# Altium PCB MPPT.PcbDoc (part 1 of 2) (continued)
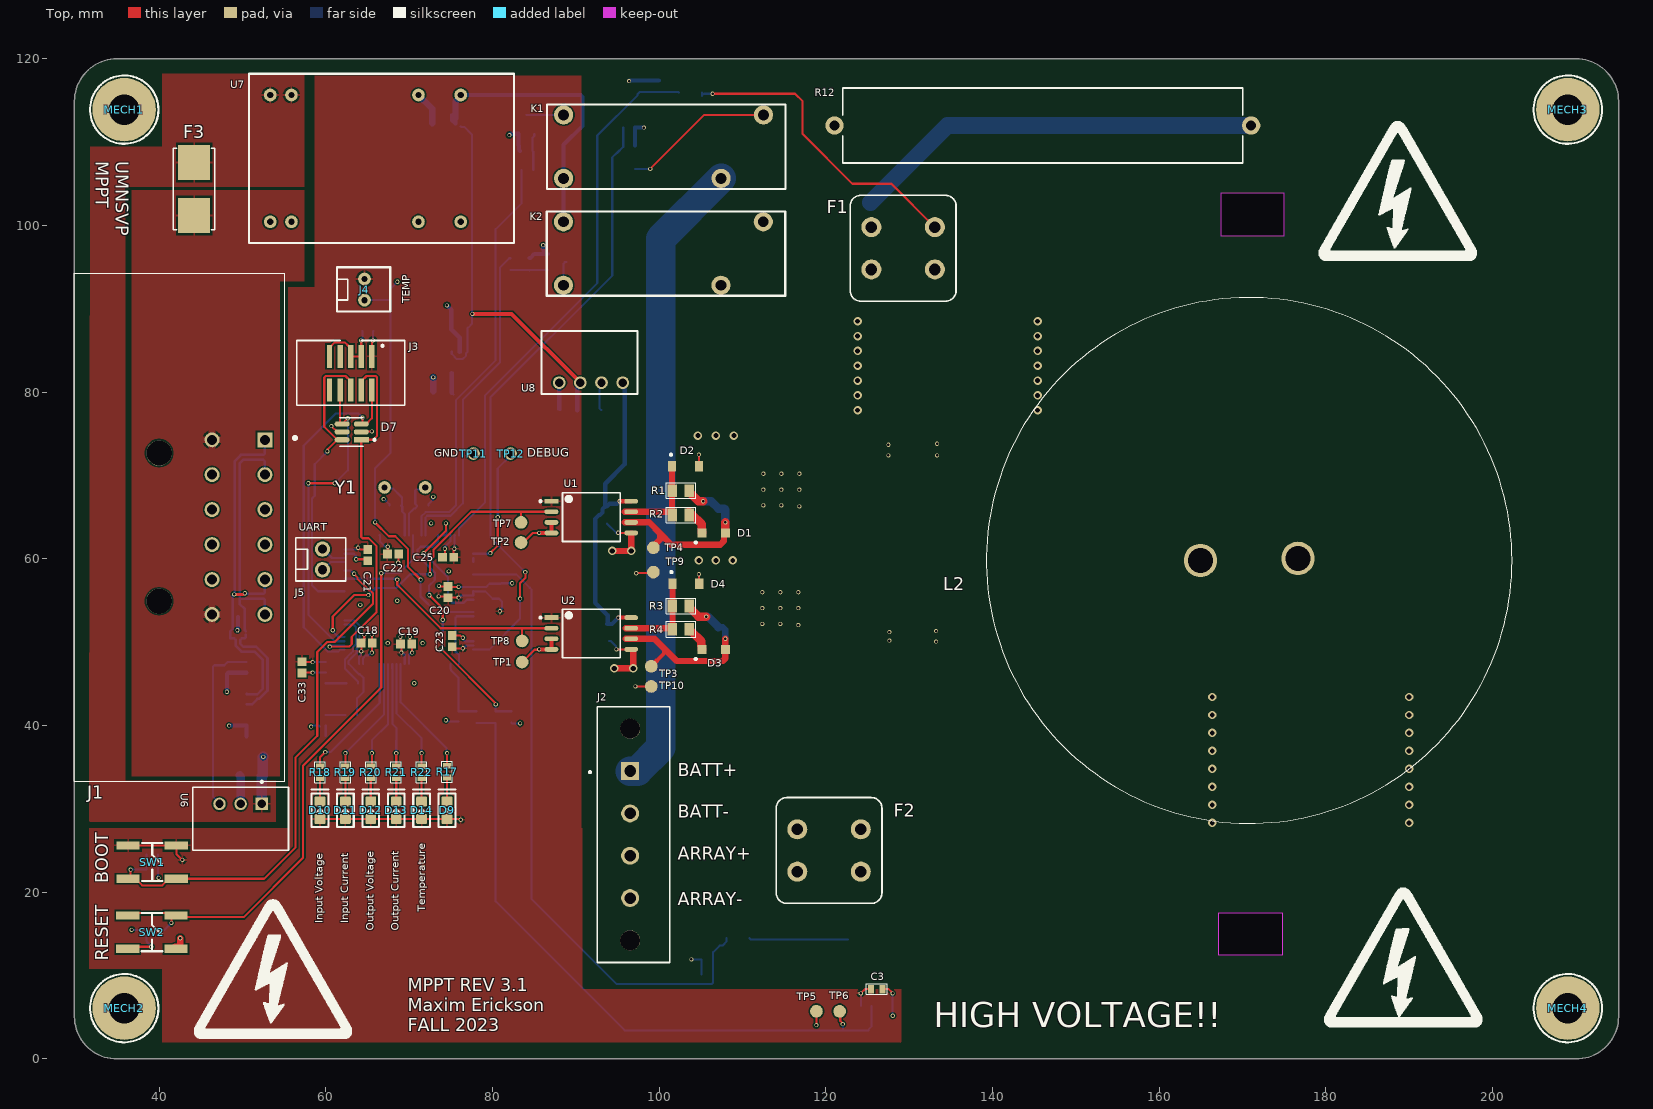
[diagram p0: Top view]
## Components (designator, comment, footprint, x,y, rotation, side; value= is the part's Value field where it differs from the comment)
C1 "CAP 0805 1uF 50V" 0805_Capacitor 93.726,65.278 r90 bottom value=1µF
C2 "CAP 0805 1uF 50V" 0805_Capacitor 93.98,51.181 r90 bottom value=1µF
C3 "C0603C473K4RECAUTO" 0603_CAPACITOR 126.111,8.382 r180 top value=47nF
C4 "KGM43JR72D105JV" 1812_Capacitor 129.032,87.376 r180 bottom value=1u
C5 "KGM43JR72D105JV" 1812_Capacitor 140.335,82.931 r0 bottom value=1u
C6 "KGM43JR72D105JV" 1812_Capacitor 129.032,82.931 r180 bottom value=1u
C7 "KGM43JR72D105JV" 1812_Capacitor 129.032,78.486 r180 bottom value=1u
C8 "KGM43JR72D105JV" 1812_Capacitor 140.335,78.359 r0 bottom value=1u
C9 "KGM43JR72D105JV" 1812_Capacitor 140.335,87.376 r0 bottom value=1u
C10 "HMK432BJ105MM-T" 1812_Capacitor 184.531,41.91 r0 bottom
C11 "HMK432BJ105MM-T" 1812_Capacitor 184.658,37.338 r0 bottom
C12 "HMK432BJ105MM-T" 1812_Capacitor 171.577,41.783 r180 bottom
C13 "HMK432BJ105MM-T" 1812_Capacitor 184.658,32.766 r0 bottom
C14 "HMK432BJ105MM-T" 1812_Capacitor 184.658,28.194 r0 bottom
C15 "HMK432BJ105MM-T" 1812_Capacitor 171.704,28.194 r180 bottom
C16 "HMK432BJ105MM-T" 1812_Capacitor 171.704,32.766 r180 bottom
C17 "HMK432BJ105MM-T" 1812_Capacitor 171.577,37.338 r180 bottom
C18 "Capacitor 0.1uF +/-10% 50 V 0603" CAPC1608X90X40ML10T20 64.897,49.911 r180 top value=100nF
C19 "Capacitor 0.1uF +/-10% 50 V 0603" CAPC1608X90X40ML10T20 69.636,49.784 r180 top value=100nF
C20 "Capacitor 0.1uF +/-10% 50 V 0603" CAPC1608X90X40ML10T20 74.676,56.007 r270 top value=100nF
C21 "Capacitor 0.1uF +/-10% 50 V 0603" CAPC1608X90X40ML10T20 65.024,60.452 r90 top value=100nF
C22 "Capacitor 0.1uF +/-10% 50 V 0603" CAPC1608X90X40ML10T20 68.072,60.579 r180 top value=100nF
C23 "Capacitor 0.1uF +/-10% 50 V 0603" CAPC1608X90X40ML10T20 75.184,50.125 r270 top value=100nF
C24 "CAP 0805 1uF 50V" 0805_Capacitor 81.026,56.007 r90 bottom value=1µF
C25 "Capacitor 0.1uF +/-10% 50 V 0603" CAPC1608X90X40ML10T20 74.676,60.198 r0 top value=100nF
C26 "Capacitor 0.1uF +/-10% 50 V 0603" CAPC1608X90X40ML10T20 39.178,24.511 r180 bottom value=100nF
C27 "Capacitor 0.1uF +/-10% 50 V 0603" CAPC1608X90X40ML10T20 82.296,41.021 r90 bottom value=100nF
C28 "Capacitor 0.1uF +/-10% 50 V 0603" CAPC1608X90X40ML10T20 39.178,15.494 r0 bottom value=100nF
C29 "Capacitor 0.1uF +/-10% 50 V 0603" CAPC1608X90X40ML10T20 75.946,41.148 r90 bottom value=100nF
C30 "Capacitor 18pF 0603 50V 10%" 0603_CAPACITOR 68.326,66.421 r0 bottom value=18pF
C31 "Capacitor 18pF 0603 50V 10%" 0603_CAPACITOR 71.628,66.421 r180 bottom value=18pF
C32 "Capacitor 0.1uF +/-10% 50 V 0603" CAPC1608X90X40ML10T20 65.024,87.376 r0 bottom value=100nF
C33 "Capacitor 0.1uF +/-10% 50 V 0603" CAPC1608X90X40ML10T20 57.15,46.99 r90 top value=100nF
C34 "Capacitor 0.1uF +/-10% 50 V 0603" CAPC1608X90X40ML10T20 48.133,46.863 r270 bottom value=100nF
C35A "Capacitor 13pF 0603 5% 50V" 0603_CAPACITOR 105.791,10.16 r0 bottom value=13pF (schematic designator C35)
C35B "Capacitor 13pF 0603 5% 50V" 0603_CAPACITOR 97.79,116.713 r270 bottom value=13pF (schematic designator C35)
C35C "Capacitor 13pF 0603 5% 50V" 0603_CAPACITOR 96.393,109.601 r180 bottom value=13pF (schematic designator C35)
C36 "Cap Cerem 10uF 10% 50V" 1210_Capacitor 51.054,34.036 r0 bottom value=10µF
C37 "Cap Cerem 10uF 10% 50V" 1210_Capacitor 74.168,112.268 r180 bottom value=10µF
C38 "CAP 0805 1uF 50V" 0805_Capacitor 89.154,77.851 r180 bottom value=1µF
C39 "Cap Cerem 10uF 10% 50V" 1210_Capacitor 94.488,77.851 r0 bottom value=10µF
C40 "CAP 0805 1uF 50V" 0805_Capacitor 73.914,80.137 r0 bottom value=1µF
C41 "CAP 0805 1uF 50V" 0805_Capacitor 76.073,87.757 r0 bottom value=1µF
D1 "PMEG4010ER,115" PMEG4010ER,115-Footprint-1 107.956,63.119 r180 top
D2 "TPSMF4L18A" TPSMF4L18A-Footprint-1 101.555,71.12 r0 top
D3 "PMEG4010ER,115" PMEG4010ER,115-Footprint-1 107.956,49.149 r180 top
D4 "TPSMF4L18A" TPSMF4L18A-Footprint-1 101.6,57.023 r0 top
D5 "PU6DBH" DIOM4336X265N 130.429,50.673 r180 bottom
D6 "PU6DBH" DIOM4336X265N 130.429,73.152 r180 bottom
D7 "ESDA6V1BC6" FP-SOT23-6L-IPC_A 63.111,75.25 r180 top
D8 "ESDCAN24-2BLY" SOT23-3 49.469,51.977 r90 bottom
D9 "LED_0805_GREEN" 0805_LED_Green 74.549,29.845 r270 top value=GREEN
D10 "D_LED_0805_BLUE" 0805_LED_Blue 59.309,29.845 r270 top value=BLUE
D11 "LED_0805_RED" 0805_LED_Red 62.357,29.845 r270 top value=RED
D12 "LED_0805_GREEN" 0805_LED_Green 65.405,29.845 r270 top value=GREEN
D13 "D_LED_0805_YELLOW" 0805_LED_Yellow 68.453,29.845 r270 top value=Amber
D14 "D_LED_0805_YELLOW" 0805_LED_Yellow 71.501,29.845 r270 top value=Amber
F1 "F_3101.0040" F_FPG4 129.286,97.282 r270 top value=6A
F2 "F_3101.0040" F_FPG4 120.396,25.019 r90 top value=6A
F3 "F_0142_1A" 0154_FUSE_HOLDER 44.196,104.394 r270 top
J1 "DTM13-12PA" TE_DTM13-12PA 40,63.82 r270 top locked
J2 "1777099" FP-1777099-MFG 96.935,26.924 r90 top
J3 "3221-10-0300-00" 3221-10-0300-00-Footprint-1 65.532,84.304 r180 top
J4 "J_640454-2" 640454-2 64.643,92.329 r270 top
J5 "J_640456-2" J_640456-2 59.605,59.944 r90 top
K1 "J117F1AS5VDC" J117F1AS5VDC-Footprint 88.542,105.664 r180 top
K2 "J117F1AS5VDC" J117F1AS5VDC-Footprint 88.519,92.837 r180 top
L1 "DR125-100-R" INDM125125X600N 126.492,61.976 r270 bottom value=10uH
L2 "ATCA-08-471M-H" ATCA-08-471M-H-Footprint-1 170.815,59.817 r180 top value=470uH
MECH1 "MECH_STANDOFF_6-32_0.625in" STANDOFF_6-32_0.625in 35.814,113.919 r0 top
MECH2 "MECH_STANDOFF_6-32_0.625in" STANDOFF_6-32_0.625in 35.814,6.096 r0 top
MECH3 "MECH_STANDOFF_6-32_0.625in" STANDOFF_6-32_0.625in 209.042,113.919 r0 top
MECH4 "MECH_STANDOFF_6-32_0.625in" STANDOFF_6-32_0.625in 209.042,6.096 r0 top
Q1 "IXFY36N20X3" DPAK 114.554,68.326 r180 bottom
Q2 "IXFY36N20X3" DPAK 114.554,54.102 r180 bottom
Q3 "NVTR4503NT1G" SOT-23_N 84.074,112.141 r90 bottom
Q4 "NVTR4503NT1G" SOT-23_N 87.757,95.631 r0 bottom
R1 "RMCF0805JT39R0" 0805_Resistor 102.616,68.199 r0 top value=39
R2 "CRCW08054R02FKEA" 0805_Resistor 102.616,65.278 r0 top value=4.02
R3 "RMCF0805JT39R0" 0805_Resistor 102.616,54.356 r0 top value=39
R4 "CRCW08054R02FKEA" 0805_Resistor 102.616,51.562 r0 top value=4.02
R5 "Res 0603 1K ohm 1%" 0603_RESISTOR 80.391,41.021 r90 bottom value=1k
R6 "Res 0603 100K ohm 1%" 0603_RESISTOR 39.178,22.733 r180 bottom value=100k
R7 "Res 0603 68.1 ohm 1%" 0603_RESISTOR 78.105,41.021 r90 bottom value=68.1
R8 "Res 0603 22.1 ohm 1%" 0603_RESISTOR 63.184,45.085 r180 bottom value=22
R9 "Res 0603 22.1 ohm 1%" 0603_RESISTOR 63.057,41.275 r180 bottom value=22
R10A "Resistor 200K 1206 1% 1/4W" 1206_RESISTOR 109.474,14.478 r0 bottom value=200k (schematic designator R10)
R10B "Resistor 200K 1206 1% 1/4W" 1206_RESISTOR 103.759,115.951 r0 bottom value=200k (schematic designator R10)
R10C "Resistor 200K 1206 1% 1/4W" 1206_RESISTOR 95.758,106.807 r0 bottom value=200k (schematic designator R10)
R11A "Resistor 4.22k 0603 0.1W 1%" 0603_RESISTOR 105.791,11.938 r0 bottom value=4.22k (schematic designator R11)
R11B "Resistor 4.22k 0603 0.1W 1%" 0603_RESISTOR 99.949,116.713 r270 bottom value=4.22k (schematic designator R11)
R11C "Resistor 4.22k 0603 0.1W 1%" 0603_RESISTOR 96.393,111.76 r180 bottom value=4.22k (schematic designator R11)
R12 "SQPW10220RJ" R_Res_Axial_SQP_THRU 146.05,112.014 r180 top value=220
R13 "R 0603 220 ohm 1%" 0603_RESISTOR 84.201,106.68 r0 bottom value=220
R14 "Resistor 100k +/-1% 0603 100 mW" RESC1608X55X25ML10T15 84.074,108.966 r0 bottom value=100k
R15 "R 0603 220 ohm 1%" 0603_RESISTOR 82.169,95.377 r270 bottom value=220
R16 "Resistor 100k +/-1% 0603 100 mW" RESC1608X55X25ML10T15 84.455,95.377 r270 bottom value=100k
R17 "Res 0603 1K ohm 1%" 0603_RESISTOR 74.549,34.482 r270 top value=1k
R18 "Res 0603 1K ohm 1%" 0603_RESISTOR 59.309,34.417 r270 top value=1k
R19 "Res 0603 1K ohm 1%" 0603_RESISTOR 62.357,34.417 r270 top value=1k
R20 "Res 0603 1K ohm 1%" 0603_RESISTOR 65.405,34.417 r270 top value=1k
R21 "Res 0603 1K ohm 1%" 0603_RESISTOR 68.453,34.417 r270 top value=1k
R22 "Res 0603 1K ohm 1%" 0603_RESISTOR 71.501,34.417 r270 top value=1k
R23 "Res 0603 10K ohm 1%" 0603_RESISTOR 67.818,91.821 r270 bottom value=10k
SW1 "SW_TACT_SWITCH_6x6" TACT_SWITCH_6x6_J-LEAD 39.178,23.622 r180 top
SW2 "SW_TACT_SWITCH_6x6" TACT_SWITCH_6x6_J-LEAD 39.137,15.208 r180 top
TP1 "Test Pad" "Test Pad-Footprint-1" 83.566,47.625 r0 top
TP2 "Test Pad" "Test Pad-Footprint-1" 83.439,61.976 r180 top
TP3 "Test Pad" "Test Pad-Footprint-1" 99.06,47.117 r180 top
TP4 "Test Pad" "Test Pad-Footprint-1" 99.314,61.341 r90 top
TP5 "Test Pad" "Test Pad-Footprint-1" 118.878,5.722 r0 top
TP6 "Test Pad" "Test Pad-Footprint-1" 121.666,5.715 r90 top
TP7 "Test Pad" "Test Pad-Footprint-1" 83.439,64.389 r180 top
TP8 "Test Pad" "Test Pad-Footprint-1" 83.566,50.165 r90 top
TP9 "Test Pad" "Test Pad-Footprint-1" 99.314,58.42 r90 top
TP10 "Test Pad" "Test Pad-Footprint-1" 99.06,44.704 r180 top
TP11 "TEST POINT PC MINI .040\"D BLACK" "TEST POINT 0.040\" BLACK" 77.724,72.644 r0 top
TP12 "TEST POINT PC MINI .040\"D WHITE" "TEST POINT 0.040\" WHITE" 82.169,72.644 r0 top
U1 "ADUM4121ARIZ" FP-RI-8-1-IPC_B 91.866,65.024 r0 top
U2 "ADUM4121ARIZ" FP-RI-8-1-IPC_B 91.866,51.054 r0 top
U3 "TMCS1101A2UQDRQ1" SOIC127P610X173-8N 126.111,9.1 r270 bottom
U4 "STM32G473VET6" TSQFP50P1600X1600X160-100N 69.977,55.118 r270 bottom locked
U5 "ADM3050EBRWZ" SOIC127P1030X265-16N 55.245,43.18 r180 bottom
U6 "R-785.0-0.5" REPO-R-78XX-3_V 49.784,30.607 r180 top
U7 "DH06S2405A" DH06S2405A-Footprint-1 53.34,115.677 r180 top
U8 "RI-0515S/P" ROE-2405S-Footprint-1 88.011,81.153 r0 top
U9 "LP5907MFX-3.3/NOPB" FP-DBV0005A-MFG 76.073,83.566 r270 bottom
Y1 "ECS-80-18-4X-CKM" ECS-80-18-4X-CKM-Footprint-1 71.936,68.58 r180 top

## Footprints (in the part's own frame and the unit in brackets; to place one, negate y for a bottom-side part, rotate by r counter-clockwise, add the part's x,y. Pads: shape width x height; smd on the part's side, far side on the other; paste and mask are expansions set on the pad)
0154_FUSE_HOLDER [mm] "FUSE BLOK CARTRIDGE 125V 10A SMD"
  rect 4.24x3.81 smd: 1(-3.185,0) 2(3.185,0)
  silkscreen extent -4.9,-2.5 4.9,2.5, body extent -4.91,-2.51 4.92,2.51, height 3.81
0603_CAPACITOR [mm] "0603 Capacitor"
  rect 0.7x1 smd: 1(-0.7,0) 2(0.7,0)
  silkscreen extent -1.27,-0.64 1.27,0.64, body extent -0.8,-0.4 0.8,0.4, height 0.3
0603_RESISTOR [mm] "0603 RESISTOR"
  rect 0.7x1 smd: 1(-0.7,0) 2(0.7,0)
  silkscreen extent -1.27,-0.64 1.27,0.64, body extent -0.8,-0.4 0.8,0.4, height 0.3
0805_Capacitor [mil] "0805 Capacitor"
  rect 45x60 smd: 1(-40,0) 2(40,0)
  silkscreen extent -70,-37 70,37, body extent -39,-25 39,25, height 30
0805_LED_Blue [mm] "Chip Capacitor; Body 2.0 x 1.2 mm (LxW typ)"
  rrect25% 1.2x1.3 smd: 1(1.05,0) 2(-1.05,0)
  silkscreen extent -2.5,-1 2,1, body extent -1.02,-0.64 0.99,0.61, height 0.79
0805_LED_Green [mm] "Chip Capacitor; Body 2.0 x 1.2 mm (LxW typ)"
  rrect25% 1.2x1.3 smd: 1(1.05,0) 2(-1.05,0)
  silkscreen extent -2.5,-1 2,1, body extent -1.02,-0.64 0.99,0.61, height 0.79
0805_LED_Red [mm] "Chip Capacitor; Body 2.0 x 1.2 mm (LxW typ)"
  rrect25% 1.2x1.3 smd: 1(1.05,0) 2(-1.05,0)
  silkscreen extent -2.5,-1 2,1, body extent -1.02,-0.64 0.99,0.61, height 0.79
0805_LED_Yellow [mm] "Chip Capacitor; Body 2.0 x 1.2 mm (LxW typ)"
  rrect25% 1.2x1.3 smd: 1(1.05,0) 2(-1.05,0)
  silkscreen extent -2.5,-1 2,1, body extent -1.02,-0.64 0.99,0.61, height 0.79
0805_Resistor [mil] "0805 Resistor"
  rect 45x60 smd: 1(-40,0) 2(40,0)
  silkscreen extent -70,-37 70,37, body extent -39,-25 39,25, height 31
1206_RESISTOR [mm] "1206 Resistor"
  rect 1.25x2 smd: 1(-1.375,0) 2(1.375,0)
  silkscreen extent -2.2,-1.2 2.2,1.2, body extent -1.6,-0.8 1.6,0.8, height 1
1210_Capacitor [mil] "1210 Capacitor"
  rect 65x110 smd: 1(-55,0) 2(55,0)
  silkscreen extent -95,-62 95,62, body extent -84,-54 82,52, height 36
1812_Capacitor [mm] "1812 Capacitor"
  rrect25% 1.5x3.8 smd: 1(-2.3,0) 2(2.3,0)
  silkscreen extent -3.3,-2.1 3.3,2.1, body extent -2.4,-1.75 2.4,1.75, height 2.71
3221-10-0300-00-Footprint-1 [mm]
  rect 0.65x2.76 smd: 1(0,0) 2(0,4.04) 3(1.27,0) 4(1.27,4.04) 5(2.54,0) 6(2.54,4.04) 7(3.81,0) 8(3.81,4.04) 9(5.08,0) 10(5.08,4.04)
  silkscreen extent -3.94,-1.91 9.02,5.84, body extent -3.78,-0.73 8.86,4.77, height 5.63
640454-2 [mil]
  round 60 hole 30: 1(-50,0) 2(50,0)
  silkscreen extent -105,-130 104,122, body extent -100,-128 100,122, height 421
ATCA-08-471M-H-Footprint-1 [mm]
  round 4 hole 3: 1(-5.85,-0.254) 2(5.85,0)
  silkscreen extent -31.54,-31.54 31.54,31.54, body extent -31.54,-31.54 31.54,31.54, height 25.91
CAPC1608X90X40ML10T20 [mm] "Chip Capacitor, 2-Leads, Body 1.70x0.90mm, IPC Low Density"
  rect 1.05x1.05 smd: 1(-0.675,0) 2(0.675,0)
  body extent -0.85,-0.45 0.85,0.45, height 0.9
DH06S2405A-Footprint-1 [mil]
  round 60 hole 30: 2(0,599.21) 3(-100,599.21) 9(-700,599.21) 11(-900,599.21) 14(-900,0) 16(-700,0) 22(-100,0) 23(0,0)
  silkscreen extent -1152,-100 100,699, body extent -1145,-95 95,695, height 402
DIOM4336X265N [mm]
  rect 2.28x2.12 smd: A(2.165,0) C(-2.165,0)
  silkscreen extent -4.1,-1.81 2.16,1.81, body extent -2.67,-1.81 2.67,1.81, height 2.65
DPAK [mil] "DPAK, 3-pin TO252"
  rrect50% 120x55 smd: 1(260,-90) 3(260,90)
  rrect25% 250x235 smd: 2(0,0)
  silkscreen extent 90,-120 200,120, body extent -83,-128 291,128, height 91
ECS-80-18-4X-CKM-Footprint-1 [mil]
  round 60 hole 30: 1(0,0) 2(192.13,0)
  body extent -128,-93 318,90, height 138
F_FPG4 [mm] "Schurter FPG4 Fuse Holder"
  round 2.4 hole 1.4: 1(-2.54,3.81) 1(2.54,3.81) 2(-2.54,-3.81) 2(2.54,-3.81)
  silkscreen extent -6.35,-6.35 6.35,6.35, body extent -6.25,-6.25 6.25,6.25, height 32.61
FP-1777099-MFG [mm]
  rect 2.15x2.15 hole 1.4 paste-1000 mask+0: 1(7.62,0.415)
  round 2.15 hole 1.4 paste-1000 mask+0: 2(2.54,0.415) 3(-2.54,0.415) 4(-7.62,0.415)
  round 2.4 hole 2.4 unplated paste-1000 mask+0: ""(-12.7,0.415) ""(12.7,0.415)
  silkscreen extent -15.34,-4.36 15.34,5.34, body extent -15.44,-4.46 15.44,4.46, height 0.25
FP-DBV0005A-MFG [mm]
  rrect17% 1.1x0.6 smd paste+0 mask+0: 1(-1.3,0.95) 2(-1.3,0) 3(-1.3,-0.95) 4(1.3,-0.95) 5(1.3,0.95)
  silkscreen extent -2.55,-1.53 0.87,1.52, body extent -1.4,-1.45 1.4,1.45, height 1.45
FP-RI-8-1-IPC_B [mm]
  rect 1.655x0.582 smd paste+0 mask+0: 1(-4.781,1.905)
  rrect100% 1.655x0.582 smd paste+0 mask+0: 2(-4.781,0.635) 3(-4.781,-0.635) 4(-4.781,-1.905) 5(4.781,-1.905) 6(4.781,-0.635) 7(4.781,0.635) 8(4.781,1.905)
  silkscreen extent -6.23,-2.93 3.45,2.93, body extent -5.16,-2.93 5.16,2.93, height 2.45
FP-SOT23-6L-IPC_A [mm]
  rect 1.805x0.616 smd paste+0 mask+0: 1(-1.151,0.95)
  rrect100% 1.805x0.616 smd paste+0 mask+0: 2(-1.151,0) 3(-1.151,-0.95) 4(1.151,-0.95) 5(1.151,0) 6(1.151,0.95)
  silkscreen extent -2.88,-1.71 1.4,1.71, body extent -2.55,-1.96 2.55,1.96, height 0.25
INDM125125X600N [mil]
  rect 124x217 smd: 1(-190,0) 2(190,0)
  silkscreen extent -246,-246 246,246, body extent -251,-251 241,241, height 236
J117F1AS5VDC-Footprint [mm]
  round 2.3 hole 1.3: 1(0,-7.62) 2(0,0) 3(-18.9,0) 4(-23.98,-7.62)
  silkscreen extent -26.62,-8.87 2,1.25, body extent -26.61,-8.84 1.99,1.26, height 12.65
J_640456-2 [mm] "TE Connectivity 640456-2"
  round 1.85 hole 1.1: 1(-1.24,0) 2(1.24,0)
  silkscreen extent -2.6,-2.8 2.6,3.2, body extent -2.54,-2.7 2.54,3.14, height 10.04
PMEG4010ER,115-Footprint-1 [mm]
  rect 1.1x1.1 smd: 1(2.8,0) 2(0,0)
  silkscreen extent 3.43,1.02 3.68,1.27, body extent -0.35,-1.09 3.15,0.91, height 1.05
R_Res_Axial_SQP_THRU [mm]
  round 2.2 hole 1.2: 1(-25,0) 2(25,0)
  silkscreen extent -24,-4.5 24,4.5, body extent -24.9,-4.5 24.9,4.5, height 10.55
REPO-R-78XX-3_V [mm] "Module, 3-Leads, Body 11.5x7.55mm, Pitch 2.54mm"
  rect 1.5x1.5 hole 1: 1(-2.54,0)
  round 1.5 hole 1: 2(0,0) 3(2.54,0)
  silkscreen extent -5.75,-2.77 5.75,5.55, body extent -5.75,-2 5.75,5.55, height 10.2
RESC1608X55X25ML10T15 [mm] "Chip Resistor, 2-Leads, Body 1.70x0.90mm, IPC Low Density"
  rect 0.8x1 smd: 1(-0.75,0) 2(0.75,0)
  body extent -0.85,-0.45 0.85,0.45, height 0.55
ROE-2405S-Footprint-1 [mil]
  round 60 hole 39.37: 1(0,0) 2(100,0) 3(200,0) 4(300,0)
  silkscreen extent -83,-54 370,245, body extent -75,-50 365,239, height 394
SOIC127P610X173-8N [mm] "SOIC, 8-Leads, Body 4.90x3.90mm, Pitch 1.27mm, IPC Medium Density"
  oval 1.5x0.6 smd: 1(-2.75,1.905) 2(-2.75,0.635) 3(-2.75,-0.635) 4(-2.75,-1.905) 5(2.75,-1.905) 6(2.75,-0.635) 7(2.75,0.635) 8(2.75,1.905)
  silkscreen extent -2.87,-2.5 1.6,2.88, body extent -3.03,-2.5 3.03,2.5, height 1.73
SOIC127P1030X265-16N [mm] "SOIC, 16-Leads, Body 10.30x7.50mm, Pitch 1.27mm, IPC Medium Density"
  oval 1.9x0.6 smd: 1(-4.75,4.445) 2(-4.75,3.175) 3(-4.75,1.905) 4(-4.75,0.635) 5(-4.75,-0.635) 6(-4.75,-1.905) 7(-4.75,-3.175) 8(-4.75,-4.445) 9(4.75,-4.445) 10(4.75,-3.175) 11(4.75,-1.905) 12(4.75,-0.635) 13(4.75,0.635) 14(4.75,1.905) 15(4.75,3.175) 16(4.75,4.445)
  silkscreen extent -4.88,-5.25 3.4,5.42, body extent -5.16,-5.25 5.16,5.25, height 2.65
SOT23-3 [mm] "SOT23, 3-Leads, Body 3.0x2.7mm (max), Pitch 0.95mm, IPC Medium Density"
  rrect50% 1.4x0.6 smd: 1(-1.05,0.95) 2(-1.05,-0.95) 3(1.05,0)
  silkscreen extent -1.22,-1.5 0.76,1.73, body extent -1.21,-1.1 0.99,1.1, height 1.1
SOT-23_N [mm] "SOT23, 3-Leads, Body 2.9x1.3mm, Pitch 0.95mm, Lead Span 2.3mm, IPC Medium Density"
  rect 1.15x0.6 smd: 1(-1.125,0.95) 2(-1.125,-0.95) 3(1.125,0)
  silkscreen extent -1.25,-1.5 0.7,1.93, body extent -0.7,-1.5 0.7,1.5, height 1.11
STANDOFF_6-32_0.625in [mil] "Standoff for 6-32 screw, 0.625 inches tall"
  round 300 hole 144 paste+0: 1(0,0)
  silkscreen extent -161,-161 161,161, body extent -125,-144 125,144, height 340
TACT_SWITCH_6x6_J-LEAD [mm] "SWITCH TACTILE SPST-NO"
  rect 2.8x1 smd: 1(-2.9,2) 2(-2.9,-2) 3(2.9,-2) 4(2.9,2)
  silkscreen extent -1.25,-2.29 1.25,2.29, body extent -3.4,-3.1 3.4,3.1, height 3.48
TE_DTM13-12PA [mm]
  rect 1.8x1.8 hole 1.2: 1(-10.48,12.7)
  round 1.8 hole 1.2: 2(-6.29,12.7) 3(-2.1,12.7) 4(2.1,12.7) 5(6.29,12.7) 6(10.48,12.7) 7(10.48,6.35) 8(6.29,6.35) 9(2.1,6.35) 10(-2.1,6.35) 11(-6.29,6.35) 12(-10.48,6.35)
  round 3.04 hole 3.04 unplated: ""(-8.89,0) ""(8.89,0)
  silkscreen extent -30.48,-10.16 30.48,16.5, body extent -30.48,-23.1 30.48,15.11, height 34.29
"Test Pad-Footprint-1" [mil]
  round 60 smd: 1(0,0)
"TEST POINT 0.040\" BLACK" [mil]
  round 60 hole 40: 0(0,0)
  body extent -62,-62 63,63, height 320
"TEST POINT 0.040\" WHITE" [mil]
  round 60 hole 40: 0(0,0)
  body extent -62,-62 63,63, height 320
TPSMF4L18A-Footprint-1 [mm]
  rect 0.98x1.25 smd: 1(3.22,0) 2(0,0)
  silkscreen extent -0.25,1.27 0,1.52, body extent 0,-0.89 3.3,0.89, height 1.08
TSQFP50P1600X1600X160-100N [mm] "TSQFP, 100-Leads, Body 14.00x14.00mm, Pitch 0.50mm, IPC Medium Density"
  oval 1.45x0.3 smd: 1(-7.725,6) 2(-7.725,5.5) 3(-7.725,5) 4(-7.725,4.5) 5(-7.725,4) 6(-7.725,3.5) 7(-7.725,3) 8(-7.725,2.5) 9(-7.725,2) 10(-7.725,1.5) 11(-7.725,1) 12(-7.725,0.5) 13(-7.725,0) 14(-7.725,-0.5) 15(-7.725,-1) 16(-7.725,-1.5) 17(-7.725,-2) 18(-7.725,-2.5) 19(-7.725,-3) 20(-7.725,-3.5) 21(-7.725,-4) 22(-7.725,-4.5) 23(-7.725,-5) 24(-7.725,-5.5) 25(-7.725,-6) 51(7.725,-6) 52(7.725,-5.5) 53(7.725,-5) 54(7.725,-4.5) 55(7.725,-4) 56(7.725,-3.5) 57(7.725,-3) 58(7.725,-2.5) 59(7.725,-2) 60(7.725,-1.5) 61(7.725,-1) 62(7.725,-0.5) 63(7.725,0) 64(7.725,0.5) 65(7.725,1) 66(7.725,1.5) 67(7.725,2) 68(7.725,2.5) 69(7.725,3) 70(7.725,3.5) 71(7.725,4) 72(7.725,4.5) 73(7.725,5) 74(7.725,5.5) 75(7.725,6)
  oval 0.3x1.45 smd: 26(-6,-7.725) 27(-5.5,-7.725) 28(-5,-7.725) 29(-4.5,-7.725) 30(-4,-7.725) 31(-3.5,-7.725) 32(-3,-7.725) 33(-2.5,-7.725) 34(-2,-7.725) 35(-1.5,-7.725) 36(-1,-7.725) 37(-0.5,-7.725) 38(0,-7.725) 39(0.5,-7.725) 40(1,-7.725) 41(1.5,-7.725) 42(2,-7.725) 43(2.5,-7.725) 44(3,-7.725) 45(3.5,-7.725) 46(4,-7.725) 47(4.5,-7.725) 48(5,-7.725) 49(5.5,-7.725) 50(6,-7.725) 76(6,7.725) 77(5.5,7.725) 78(5,7.725) 79(4.5,7.725) 80(4,7.725) 81(3.5,7.725) 82(3,7.725) 83(2.5,7.725) 84(2,7.725) 85(1.5,7.725) 86(1,7.725) 87(0.5,7.725) 88(0,7.725) 89(-0.5,7.725) 90(-1,7.725) 91(-1.5,7.725) 92(-2,7.725) 93(-2.5,7.725) 94(-3,7.725) 95(-3.5,7.725) 96(-4,7.725) 97(-4.5,7.725) 98(-5,7.725) 99(-5.5,7.725) 100(-6,7.725)
  silkscreen extent -7.85,-6.6 6.6,6.82, body extent -8,-8 8,8, height 1.6

## Part data
C1 C2 C24 C38 C40 C41: library part CMP-001-00098-1, Capacitor Type=Ceramic, Case/Package=0805, Tolerance=10%, Voltage Rating=50V, Mounting Technology=SMT
C3: library part CMP-001-00133-1, "Ceramic Capacitor, Multilayer, Ceramic, 16V, 10% +Tol, 10% -Tol, X7R, 15% TC, 0.047uF, Surface Mount, 0603", Capacitor Type=Ceramic, Case/Package=0603, Tolerance=10%, Voltage Rating=16V, Mounting Technology=SMD
C4 C5 C6 C7 C8 C9: library part CMP-001-00138-1, "Cap Cer 1UF 200V X7R 1812", Voltage Rating=200V
C10 C11 C12 C13 C14 C15 C16 C17: library part CMP-001-00139-1, "Medium-High Voltage Multilayer Ceramic Capacitors, 100V, 1 uF, ± 20 %, 1812, X5R/B, RoHS", RoHS Compliant=Yes
C18 C19 C20 C21 C22 C23 C25 C26 C27 C28 C29 C32 C33 C34: library part CMP-001-00017-10, "Chip Capacitor, 0.1uF, +/- 10%, 50 V, 0603 (1608 Metric)", Capacitor Type=Ceramic, Case/Package=0603, Max Operating Temperature=125°C, Min Operating Temperature=-55°C, Tolerance=10%, Voltage Rating=50V, Mounting Technology=SMT, Pins=2
C30 C31: library part CMP-001-00108-2, "Capacitor 18pF ceramic 0603 10% 50V", Capacitor Type=Ceramic, Case/Package=0603, Tolerance=10%, Voltage Rating=50V, Mounting Technology=SM
C35A C35B C35C: library part CMP-001-00121-1, "Ceramic Capacitor, Multilayer, Ceramic, 50V, 5% +Tol, 5% -Tol, C0G, 30ppm/Cel TC, 0.000013uF, Surface Mount, 0603", Capacitor Type=Ceramic, Case/Package=0603, Max Operating Temperature=125°C, Min Operating Temperature=-55°C, Tolerance=5%, Voltage Rating=50V, Mounting Technology=SMD
C36 C37 C39: library part CMP-001-00101-3, Capacitor Type=Ceramic, Case/Package=1210, Tolerance=10%, Voltage Rating=50V, Mounting Technology=SM
D1 D3: library part CMP-004-00045-1, "Rectifier Diode, Schottky, 1 Phase, 1 Element, 1A, 40V V(RRM), Silicon", Case/Package=SOD-123W, Forward Current=1A, Forward Voltage=490mV, Max Operating Temperature=150°C, Max Surge Current=40A, Peak Inverse Voltage=40V, Mounting Technology=SMD, Pins=2, RoHS Compliant=Yes
D2 D4: library part CMP-004-00053-2, "TVS DIODE 18V 29.2V SOD123FL", Clamping Voltage=29.2V, Max Operating Temperature=150°C, Min Breakdown Voltage=20V, Min Operating Temperature=-55°C, Peak Pulse Current=13.7A, Peak Pulse Power=400W, Power Line Protection=No, Resistor Type=Zener, Reverse Standoff Voltage=18V, Mounting Technology="Surface Mount", Number of Unidirectional Channels=1, Packaging="Cut Tape", RoHS Compliant=Yes
D5 D6: library part CMP-201-000000-2, "25ns, 6A, 200V, Ultra Fast Recovery Rectifier", Package="SMD-2 Taiwan Semiconductor", Component Type=Standard, Design Item ID=PU6DBH, Digi-Key_Part_Number=1801-PU6DBHTR-ND, MF="Taiwan Semiconductor", MP=PU6DBH, Pin Count=2
D7: library part CMP-004-00048-1, "Trans Voltage Suppressor Diode, 80W, 5V V(RWM), Bidirectional, 4 Element, Silicon", Case/Package=SOT23-6L, Max Operating Temperature=150°C, Max Surge Current=8A, Peak Inverse Voltage=8V, Mounting Technology=SMD, Pins=6, RoHS Compliant=Yes
D8: library part CMP-004-00032-2, "ESD Suppressor TVS 24V Automotive 3-Pin SOT-23 T/R", Breakdown Voltage=27V, Capacitance=30pF, Case/Package=SOT-23, Clamping Voltage=43V, Leakage Current=100nA, Max Operating Temperature=150°C, Max Power Dissipation=230W, Min Breakdown Voltage=26.2V, Min Operating Temperature=-40°C, Package Quantity=1, Peak Pulse Current=5.5A, Power Line Protection=No, Resistor Type=Zener, Reverse Standoff Voltage=24V, Depth=1.3mm, Diode Type=ZENER, Direction=Bidirectional, Element Configuration=Dual, ESD Protection=Yes, Height=1.4mm, Lead Free="Lead Free", Length=2.9mm, Max Reverse Leakage Current=100nA, Mount="Surface Mount", Number of Bidirectional Channels=2, Number of Channels=2, Number of Pins=3, Packaging="Tape and Reel", Peak Pulse Power=230W, Polarity=Bidirectional, Radiation Hardening=No, REACH SVHC="No SVHC", RoHS Compliant=Yes, Series="Automotive, AEC-Q101, ESDCAY, TRANSIL™", Termination=SMD/SMT, Width=1.75mm, Working Voltage=24V
D9 D12: library part CMP-151-000025-2, "LED CHIPLED 570NM GREEN 0805 SMD", Current=20mA, Forward Voltage=2.2V, Manufacturer="Osram Opto Semiconductors Inc", Manufacturer PN="LG R971-KN-1-0-20-R18", Package=0805, Design Item ID=D_LED_0805_GREEN, Source=diode.SchLib, Supplier PN=475-1410-1-ND, SVP Creator="Nate Bolyard"
D10: library part CMP-151-000020-1, "LED 2X1.2MM 470NM BL WTR CLR SMD", Current=20mA, Forward Voltage=3.3, Manufacturer=Kingbright, Manufacturer PN=APT2012QBC/D, Package=0805, Design Item ID=D_LED_0805_BLUE, Source=diode.SchLib, Supplier PN=754-1437-1-ND, SVP Creator="Jonathan Nutzmann"
D11: library part CMP-151-000016-5, "LED CHIPLED 645NM RED DIFF 0805", Current=20mA, Forward Voltage=1.8V, Manufacturer="OSRAM Opto Semiconductors Inc", Manufacturer PN="LH R974-LP-1", Package=0805, Design Item ID=D_LED_0805_RED, Source=diode.SchLib, SVP Creator="Jonathan Nutzmann"
D13 D14: library part CMP-151-000028-1, "LED 595NM AMBER DIFF SMD 0805", Current=20mA, Forward Voltage=1.9, Manufacturer="Avago Technologies US Inc.", Manufacturer PN=HSMA-C170, Package=0805, Design Item ID=D_LED_0805_YELLOW, Source=diode.SchLib, Supplier PN=516-1431-1-ND, SVP Creator="Jonathan Nutzmann"
F1 F2: library part CMP-047-000004-2, "Fuse Holder 16A 500V 1 Circuit Cartridge PCB", Manufacturer=Schurter, Manufacturer Part Number=3101.0040, Max Current=16A, Max Operating Temperature=85°C, Min Operating Temperature=-40°C, Power Dissipation=2.5W, Voltage Rating (AC)=400V, Voltage Rating (DC)=250V, Approvals=UL,CSA,VDE,IEC,SEMKO, Body Material=Thermoplastic, Design Item ID=F_3101.0040, Source=misc.SchLib
F3: library part CMP-105-000000-1, Current=1A, Design Item ID=F_0142_1A, Source=Common.SchLib, SVP Creator="Spencer Berglund"
J1: library part CMP-183-000000-3, "12 way DTM13 A key Receptacle with PCB mount and 90 degree molded pins. Sealable, with centerline pitch .165 inch/4 millimeters. Gray.", Case/Package=12-DIP, Max Current Rating=11A, Voltage Rating=250V, Connector Type="COMBINATION LINE CONNECTOR", Gender=Male, Mounting Technology=TH, Pins=12, RoHS Compliant=Yes
J2: library part CMP-002-00150-1, "Strip Terminal Block, 12A, 1 Row(s), 1 Deck(s)", Case/Package=4-SIP, Current Rating=12A, Voltage Rating=320V, Connector Type="Through Hole", Gender=Male, Mounting Technology=Board, Pins=4, RoHS Compliant=Yes
J3: library part CMP-002-00077-1, "JTAG STLINK CONN HEADER SMD 10POS 1.27MM"
J4: library part CMP-009-000000-4, "2 Positions Header, Unshrouded Connector 0.100\" (2.54mm) Through Hole Tin", Max Current Rating=2A, Gender=Male, Mounting Technology=TH, Pins=2
J5: library part CMP-002-00087-1, "Connector Header Through Hole 2 position 0.100\" (2.54mm)", Contact Resistance=6mR, Current Rating=5A, Manufacturer="TE Connectivity", Manufacturer Part Number=640456-2, Max Operating Temperature=221°C, Min Operating Temperature=-67°C, Voltage Rating=250V, Design Item ID=J_640456-2, Source=connector.SchLib
K1 K2: library part CMP-008-00017-3, "Relay Gen Purpose SPST 10A 5V", Coil Voltage=5, Current Rating=10A, Max Operating Temperature=125°C, Min Operating Temperature=-55°C, Contact Form=SPST, Mounting Technology=TH, Operate Time=10ms, Pins=4, RoHS Compliant=yes
L1: library part CMP-006-00027-1, "Ind Power Shielded Wirewound 10uH 20% 100KHz Ferrite 5.35A T/R", Case/Package=Nonstandard, Current Rating=5.35A, DC Resistance (DCR)=18.9mR, Inductance Tolerance=20%, Inductor Type="POWER INDUCTOR", Max DC Current=7.17A, Max Operating Temperature=125°C, Min Operating Temperature=-40°C, Package Quantity=600, Self Resonant Frequency=100kHz, Core Material=Ferrite, DC Current=5.35A, Depth=12.5mm, Height=6mm, Height - Seated (Max)=0.236inch, Length=12.5mm, Max Current Rating=5.35A, Military Standard=Not, Mounting Technology="Surface Mount", Packaging="Tape and Reel", Pins=2, Radiation Hardening=No, Reach SVHC Compliant=No, RMS Current (Irms)=5.35A, RoHS Compliant=Yes, Saturation Current=7.17A, Series=DR, Shielding=Shielded, Termination=SMD/SMT, Test Frequency=100kHz, Tolerance=20%, Weight=0.144oz, Width=0.492inch
L2: library part CMP-006-00025-8, "Coustom wound inductor using 79617A7 core", Case/Package=torodial, Current Rating=11A, Max Operating Temperature=-40°C, Min Operating Temperature=105°C, Tolerance=20%, Max Current Rating=11A, Mounting Technology=TH, Pins=2, RoHS Compliant=Yes
MECH1 MECH2 MECH3 MECH4: library part CMP-044-000005-2, "Hex Standoff Threaded #6-32 Aluminum 0.625\" (15.88mm) 5/8\"", Design Item ID=MECH_STANDOFF_6-32_0.625in, Source=mech.SchLib
Q1 Q2: library part CMP-013-00046-1, "X3-Class Series - 150V - 300V N-Channel Ultra Junction Power MOSFETs with HiPerFET™ Options, TO-252, RoHS", Case/Package=TO-252AA, Continuous Drain Current (ID)=36A, Drain to Source Voltage (Vdss)=200V, Input Capacitance=1.425nF, Max Operating Temperature=150°C, Min Operating Temperature=-55°C, Power=176W, Mounting Technology="Surface Mount", Packaging=Rail/Tube, Rds On Max=45mR, RoHS Compliant=No, Series=HiPerFET™
Q3 Q4: library part CMP-062-000014-2, "Small Signal Field-Effect Transistor, 1.5A I(D), 30V, 1-Element, N-Channel, Silicon, Metal-oxide Semiconductor FET, TO-236", Case/Package=SOT23, Max Operating Temperature=150°C, PackageReference=SOT-23, Pins=3, RoHS Compliant=Yes, Vgs(th) (Max) @ Id=1.5A
R1 R3: library part "Resistor     0012-1", "Fixed Resistor, Metal Glaze/thick Film, 0.125W, 39ohm, 150V, 5% +/-Tol, 200ppm/Cel, Surface Mount, 0805", Case/Package=0805, Max Operating Temperature=155°C, Min Operating Temperature=-55°C, Power=125mW, Tolerance=5%, Mounting Technology=SMD, RoHS Compliant=Yes
R2 R4: library part "Resistor     0013-1", "Fixed Resistor, Metal Glaze/thick Film, 0.125W, 4.02ohm, 150V, 1% +/-Tol, 100ppm/Cel, Surface Mount, 0805", Case/Package=0805, Max Operating Temperature=155°C, Min Operating Temperature=-55°C, Power=125mW, Tolerance=1%, Mounting Technology=SMD, RoHS Compliant=Yes
R5 R17 R18 R19 R20 R21 R22: library part CMP-058-000005-5, "RES 1K OHM 1/16W 1% 0603 SMD", Case/Package=0603, Power=62.5mW, Tolerance=1%, Mounting Technology=SMD, Pins=2
R6: library part CMP-058-000032-7, "RES 100K OHM 1/16W 1% 0603 SMD", Case/Package=0603, Power=62.5mW, Tolerance=1%, Mounting Technology=SMD, Pins=2
R7: library part CMP-058-000037-11, "RES 68.1 OHM 1/16W 1% 0603 SMD", Case/Package=0603, Power=62.5mW, Tolerance=1%, Mounting Technology=SMD
R8 R9: library part CMP-058-000007-6, "RES 22 OHM 1/16W 1% 0603 SMD", Case/Package=0603, Power=62.5mW, Tolerance=1%, Mounting Technology=SMD, Pins=2
R10A R10B R10C: library part "Resistor     0007-1", Case/Package=1206, Max Operating Temperature=155°C, Min Operating Temperature=-55°C, Power=250mW, Tolerance=1%, Mounting Technology=SMD, RoHS Compliant=Yes
R11A R11B R11C: library part "Resistor     0006-1", "Fixed Resistor, Metal Glaze/thick Film, 0.1W, 4220ohm, 75V, 1% +/-Tol, 100ppm/Cel, Surface Mount, 0603", Case/Package=0603, Max Operating Temperature=155°C, Min Operating Temperature=-55°C, Power=100mW, Tolerance=1%, Mounting Technology=SMD, RoHS Compliant=Yes
R12: library part "Resistor     0016-2", "Fixed Resistor, Wire Wound, 10W, 220ohm, 750V, 5% +/-Tol, 300ppm/Cel, Through Hole Mount", Case/Package=Axial, Max Operating Temperature=155°C, Min Operating Temperature=-55°C, Power=10W, Tolerance=5%, Mounting Technology=TH, Pins=2, RoHS Compliant=Yes
R13 R15: library part CMP-058-000021-5, "RES 220 OHM 1/16W 1% 0603 SMD", Case/Package=0603, Power=62.5mW, Tolerance=1%, Mounting Technology=SMD, Pins=2
R14 R16: library part CMP-009-00023-8, "Chip Resistor, 100 KOhm, +/- 1%, 0.1 W, -55 to 155 degC, 0603 (1608 Metric)", Case/Package=0603, Max Operating Temperature=155°C, Min Operating Temperature=-55°C, Power=100mW, Tolerance=1%, Voltage Rating=50V, Mounting Technology=SMD, Pins=2, RoHS Compliant=True
R23: library part CMP-058-000017-6, "RES 10K OHM 1/16W 1% 0603 SMD", Case/Package=0603, Power=62.5mW, Tolerance=1%, Mounting Technology=SMD, Pins=2
SW1 SW2: library part CMP-050-000002-1, "SWITCH TACT 6MM BLACK 160GF", Package="6mm x 6mm", Design Item ID=SW_TACT_SWITCH_6x6, Source=misc.SchLib, SVP Creator="Spencer Berglund"
TP1 TP2 TP3 TP4 TP5 TP6 TP7 TP8 TP9 TP10: library part CMP-00039-1, "A circular test pad for soldering a wire to or spring tip if necessary"
TP11: library part CMP-054-000001-1, Design Item ID="TEST POINT PC MINI .040\"D BLACK", Source=misc.SchLib
TP12: library part CMP-113-000002-1, Design Item ID="TEST POINT PC MINI .040\"D WHITE", Source=Common.SchLib
U1 U2: library part CMP-00024-00007-1, "2A gat driver", Max Operating Temperature=125°C, Min Operating Temperature=-40°C, Pins=8, RoHS Compliant=Yes
U3: library part CMP-010-00029-1, "Automotive, precision isolated current sensor with internal reference 8-SOIC -40 to 125", Case/Package=8-SOIC, Max Operating Temperature=125°C, Max Supply Voltage=5.5V, Min Operating Temperature=-40°C, Min Supply Voltage=3, Nominal Supply Current=26mA, Nominal Supply Voltage=3.3V, Mounting Technology=SMD, Pins=8, RoHS Compliant=Yes, Sensor Type=Hall
U4: library part CMP-00014-7, "RISC Microcontroller, 32-Bit, 170MHz", Case/Package=LQFP100, Frequency=170Hz, Nominal Supply Voltage=3.3V, Interface=JTAG, Mounting Technology=SMD, Pins=100, RAM Size=128, RoHS Compliant=Yes
U5: library part CMP-015-00019-2, "MIL-STD-1553 Data Bus Transceiver, PDSO16. Isolated CANFD transceiver", Case/Package=SOIC-16, Max Operating Temperature=125°C, Max Supply Voltage=5.5V, Min Operating Temperature=-45°C, Min Supply Voltage=1.7V, Nominal Supply Voltage=5V, Mounting Technology=SMD, Pins=16, RoHS Compliant=Yes
U6: library part CMP-019-00059-1, "DC-DC Regulated Power Supply Module, 1 Output, 2.5W, Hybrid", Case/Package=SIP-3, Max Operating Temperature=71°C, Max Supply Voltage=32V, Min Operating Temperature=-40°C, Min Supply Voltage=6.5V, Output Current=500mA, Output Voltage=5V, Mounting Technology=TH, Pins=3, RoHS Compliant=Yes
U7: library part CMP-019-00061-4, "DC/DC converter 18...75 VDC 5 VDC, DJ06S4805A, Delta-Electronics", Case/Package=DIP, Max Operating Temperature=85°C, Max Supply Voltage=36V, Min Operating Temperature=-40°C, Min Supply Voltage=18V, Output Current=1.2A, Output Voltage=5V, Mounting Technology=TH, Pins=8, RoHS Compliant=Yes
U8: library part CMP-019-00064-1, "DC-DC Unregulated Power Supply Module, 1 Output, 2W, Hybrid", Case/Package=4-SIP, Max Operating Temperature=85°C, Max Supply Voltage=5V, Min Operating Temperature=-40°C, Min Supply Voltage=4.5V, Output Current=133mA, Output Voltage=15V, Mounting Technology=TH, Pins=4, RoHS Compliant=Yes
U9: library part CMP-171-000000-7, "Fixed Positive LDO Regulator, 3.3V, 0.25V Dropout, PDSO5", Dropout Voltage1-Max=250mV, Dropout Voltage1-Nom=120mV, Input Voltage Absolute-Max=6V, Max Input Voltage=5.5V, Min Input Voltage=2.2V, Operating Temperature, TJ-Max=125°C, Operating Temperature, TJ-Min=-40°C, Output Current1-Max=250mA, Output Voltage1-Max=3.366V, Output Voltage1-Min=3.234V, Output Voltage1-Nom=3.3V, Package="SOT-23-5 Texas Instruments", Package Body Material=Plastic, Package Code=LSSOP, Package Equivalence Code=TSOP5/6,.11,37, Package Shape=Rectangular, Package Style="SMALL OUTLINE, LOW PROFILE, SHRINK PITCHMeter", Peak Reflow Temperature (Cel)=260°C, Voltage Tolerance-Max=2%, Adjustability=FIXED, Arrow_Electronics-Purchase-URL=https://snapeda.com/shop?store=Arrow+Electronics&id=379728, Availability=Unavailable, Component Type=Standard, Design Item ID=LP5907MFX-3.0/NOPB, DigiKey-Purchase-URL=https://snapeda.com/shop?store=DigiKey&id=379728, Height - Seated (Max)=1.45mm, JESD-30 Code=R-PDSO-G5, JESD-609 Code=e3, Length=2.9mm, MF="Texas Instruments", Moisture Sensitivity Level=1, Mouser-Purchase-URL=https://snapeda.com/shop?store=Mouser&id=379728, MP=LP5907MFX-3.0/NOPB, Number of Functions=1, Number of Outputs=1, Number of Pins=5, Packaging="Tape and Reel", Pin Count=5, Price=None, Qualification Status="Not Qualified", Reach SVHC Compliant=Yes, Regulator Type="FIXED POSITIVE SINGLE OUTPUT LDO REGULATOR", RoHS Compliant=Yes, SnapEDA_Link=https://www.snapeda.com/parts/LP5907MFX-3.0/NOPB/Texas%20Instruments/view-part/379728/?ref=snap, Source=LP5907MFX-3.0_NOPB.SchLib, Surface Mount=Yes, Technology=CMOS, Terminal Finish=Tin, Terminal Form="Gull Wing", Terminal Pitch=0.95mm, Terminal Position=DUAL, Texas_Instruments-Purchase-URL=https://snapeda.com/shop?store=Texas+Instruments&id=379728, Width=1.6mm
Y1: library part CMP-003-00032-1, "Crystal 8MHz ±10ppm (Tol) ±10ppm (Stability) 18pF FUND 80Ohm 2-Pin HC-49/USX Thru-Hole Bulk", Case/Package=HC-49/USX, Frequency=8MHz, Load Capacitance=18pF, ESR=80, Mounting Technology=TH, Pins=2

## Free pads (board coordinates)
  round 0.5 hole 0.3: 10(112.395,52.197) 10(112.395,54.102) 10(112.395,56.007) 10(112.522,66.421) 10(112.522,68.326) 10(112.522,70.231) 10(114.554,52.197) 10(114.554,54.102) 10(114.554,56.007) 10(114.681,66.421) 10(114.681,68.326) 10(114.681,70.231) 10(116.713,52.07) 10(116.713,54.102) 10(116.713,56.007) 10(116.84,66.294) 10(116.84,68.326) 10(116.84,70.231)

## Via types
v1: diameter 0.5, hole 0.3, Top to Bottom, 122 vias
v2: diameter 1.016, hole 0.584, Top to Bottom, 36 vias
v3: diameter 1.016, hole 0.635, Top to Bottom, 4 vias